# Altium PCB Drone_mercury_v2.PcbDoc
Units mm, origin at the board's own origin, x right, y up, seen from the top; angles counter-clockwise.
Board outline 70 x 70 mm, 4 copper layers (Top Layer, GND02, PWR03, Bottom Layer), stack 0.603 mm thick; 83 components, 58 nets, 266 pads, 89 vias.
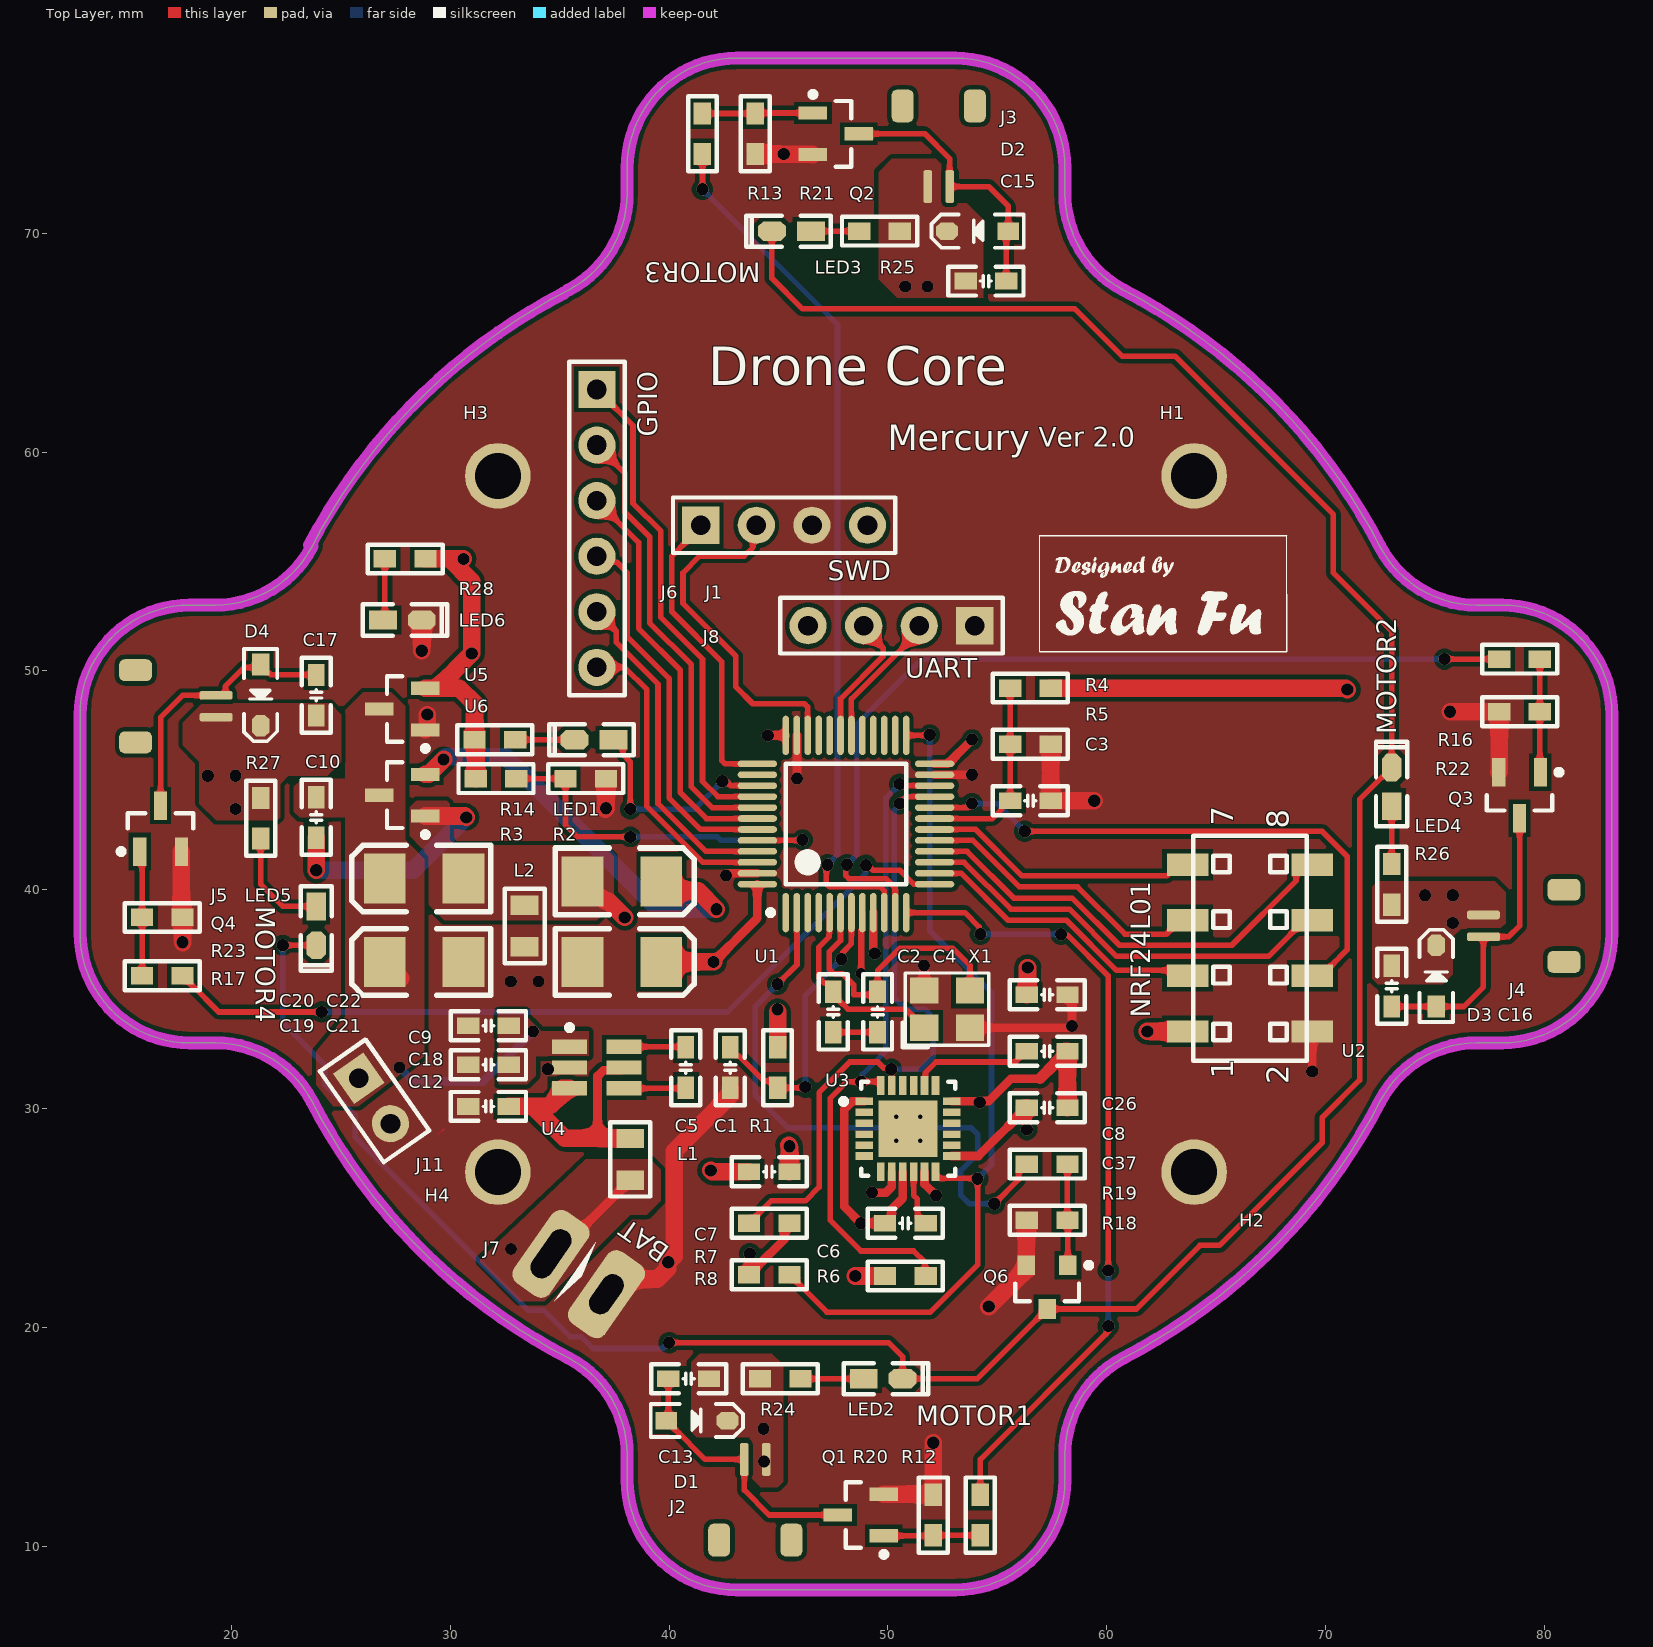
[diagram p0: Top Layer view]
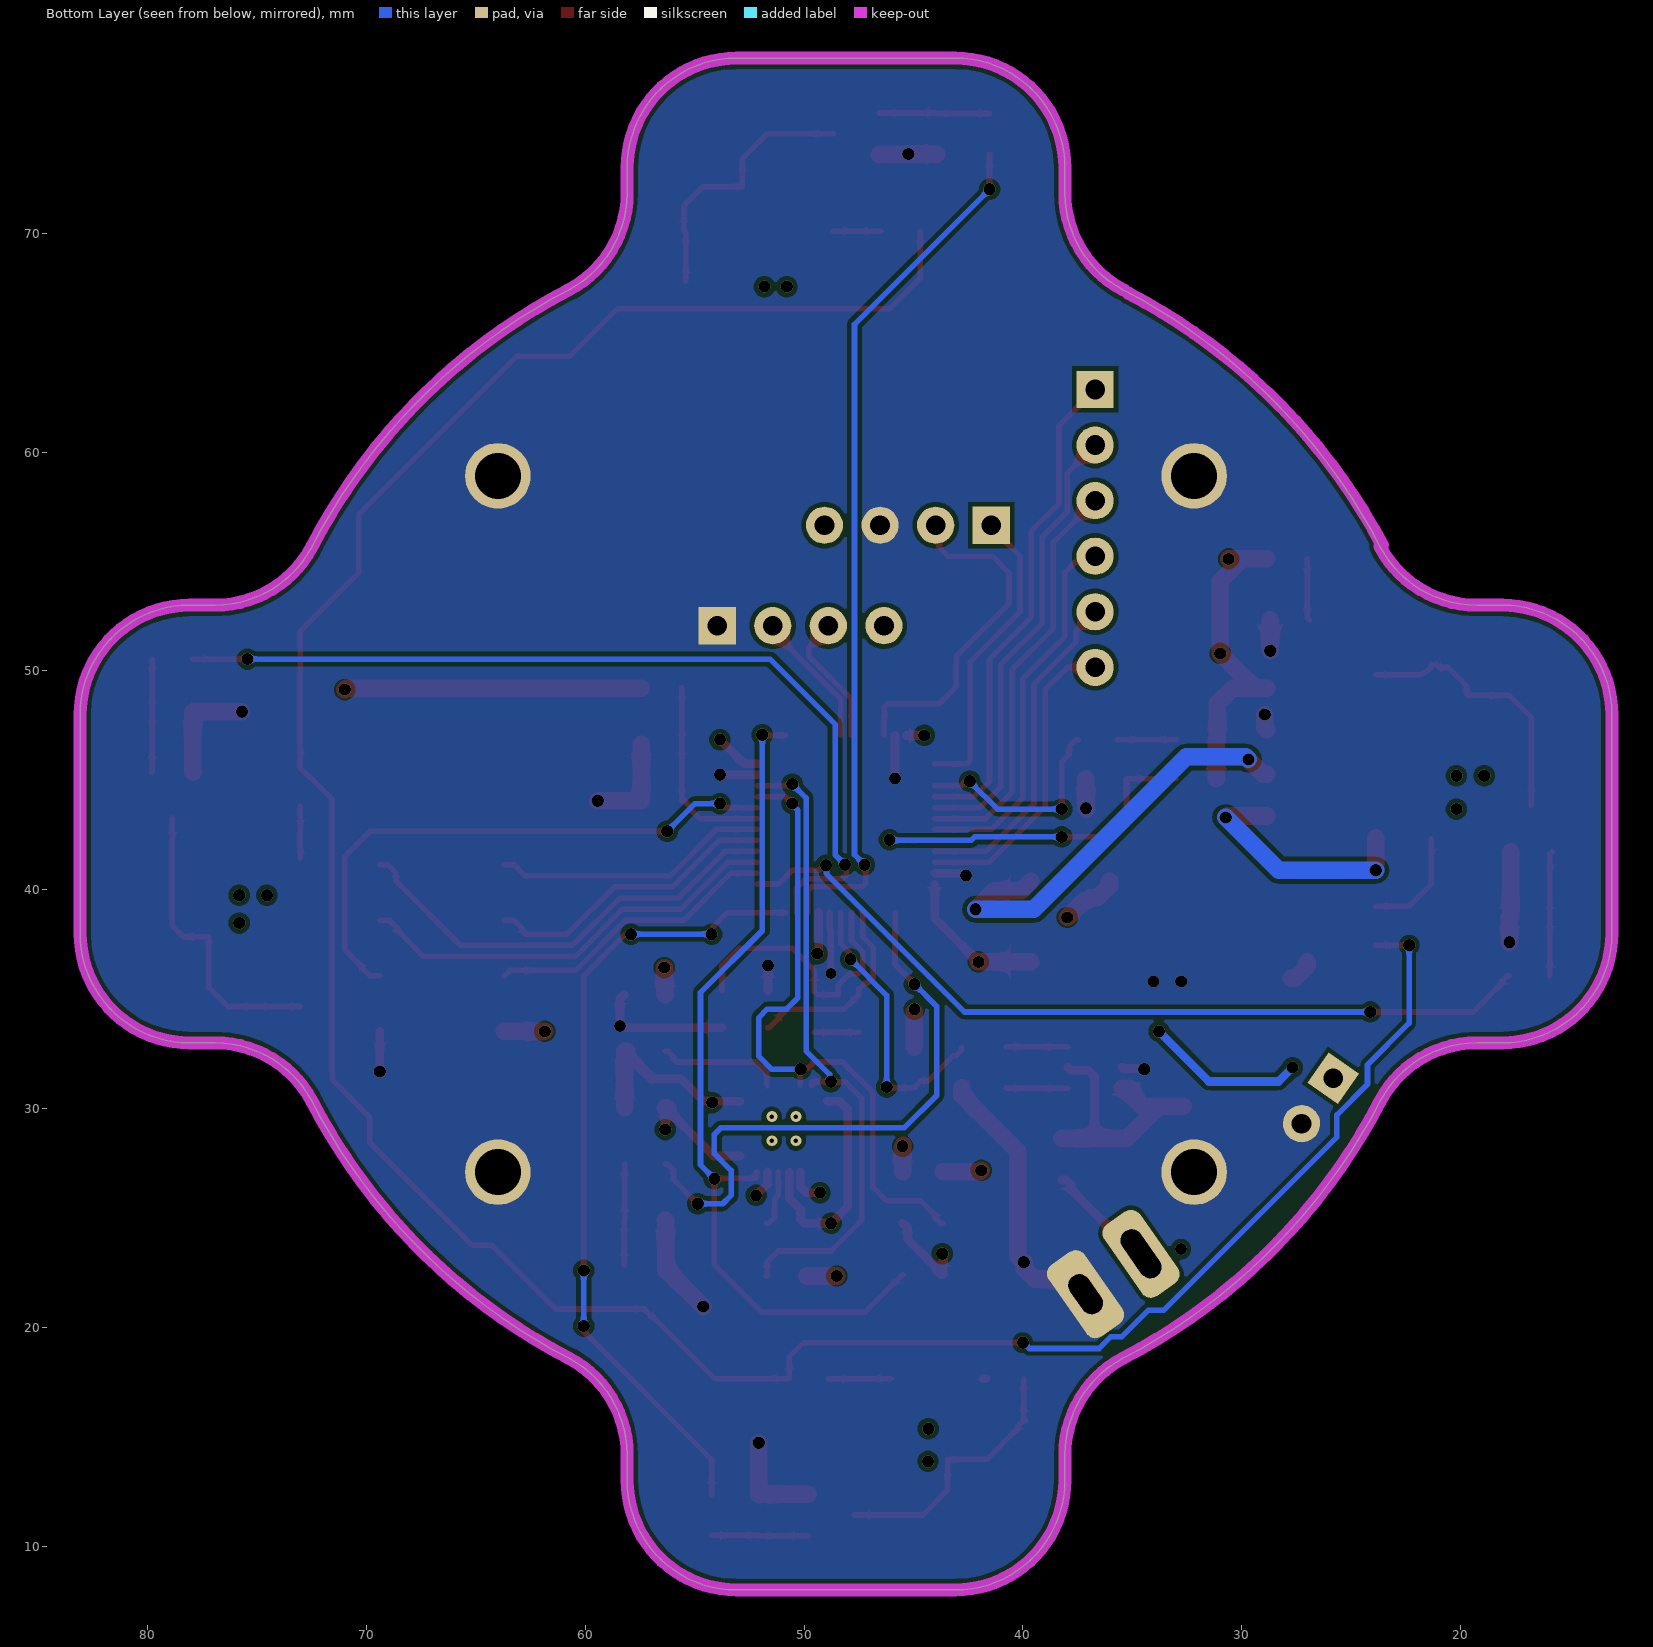
[diagram p1: Bottom Layer view, seen from below]
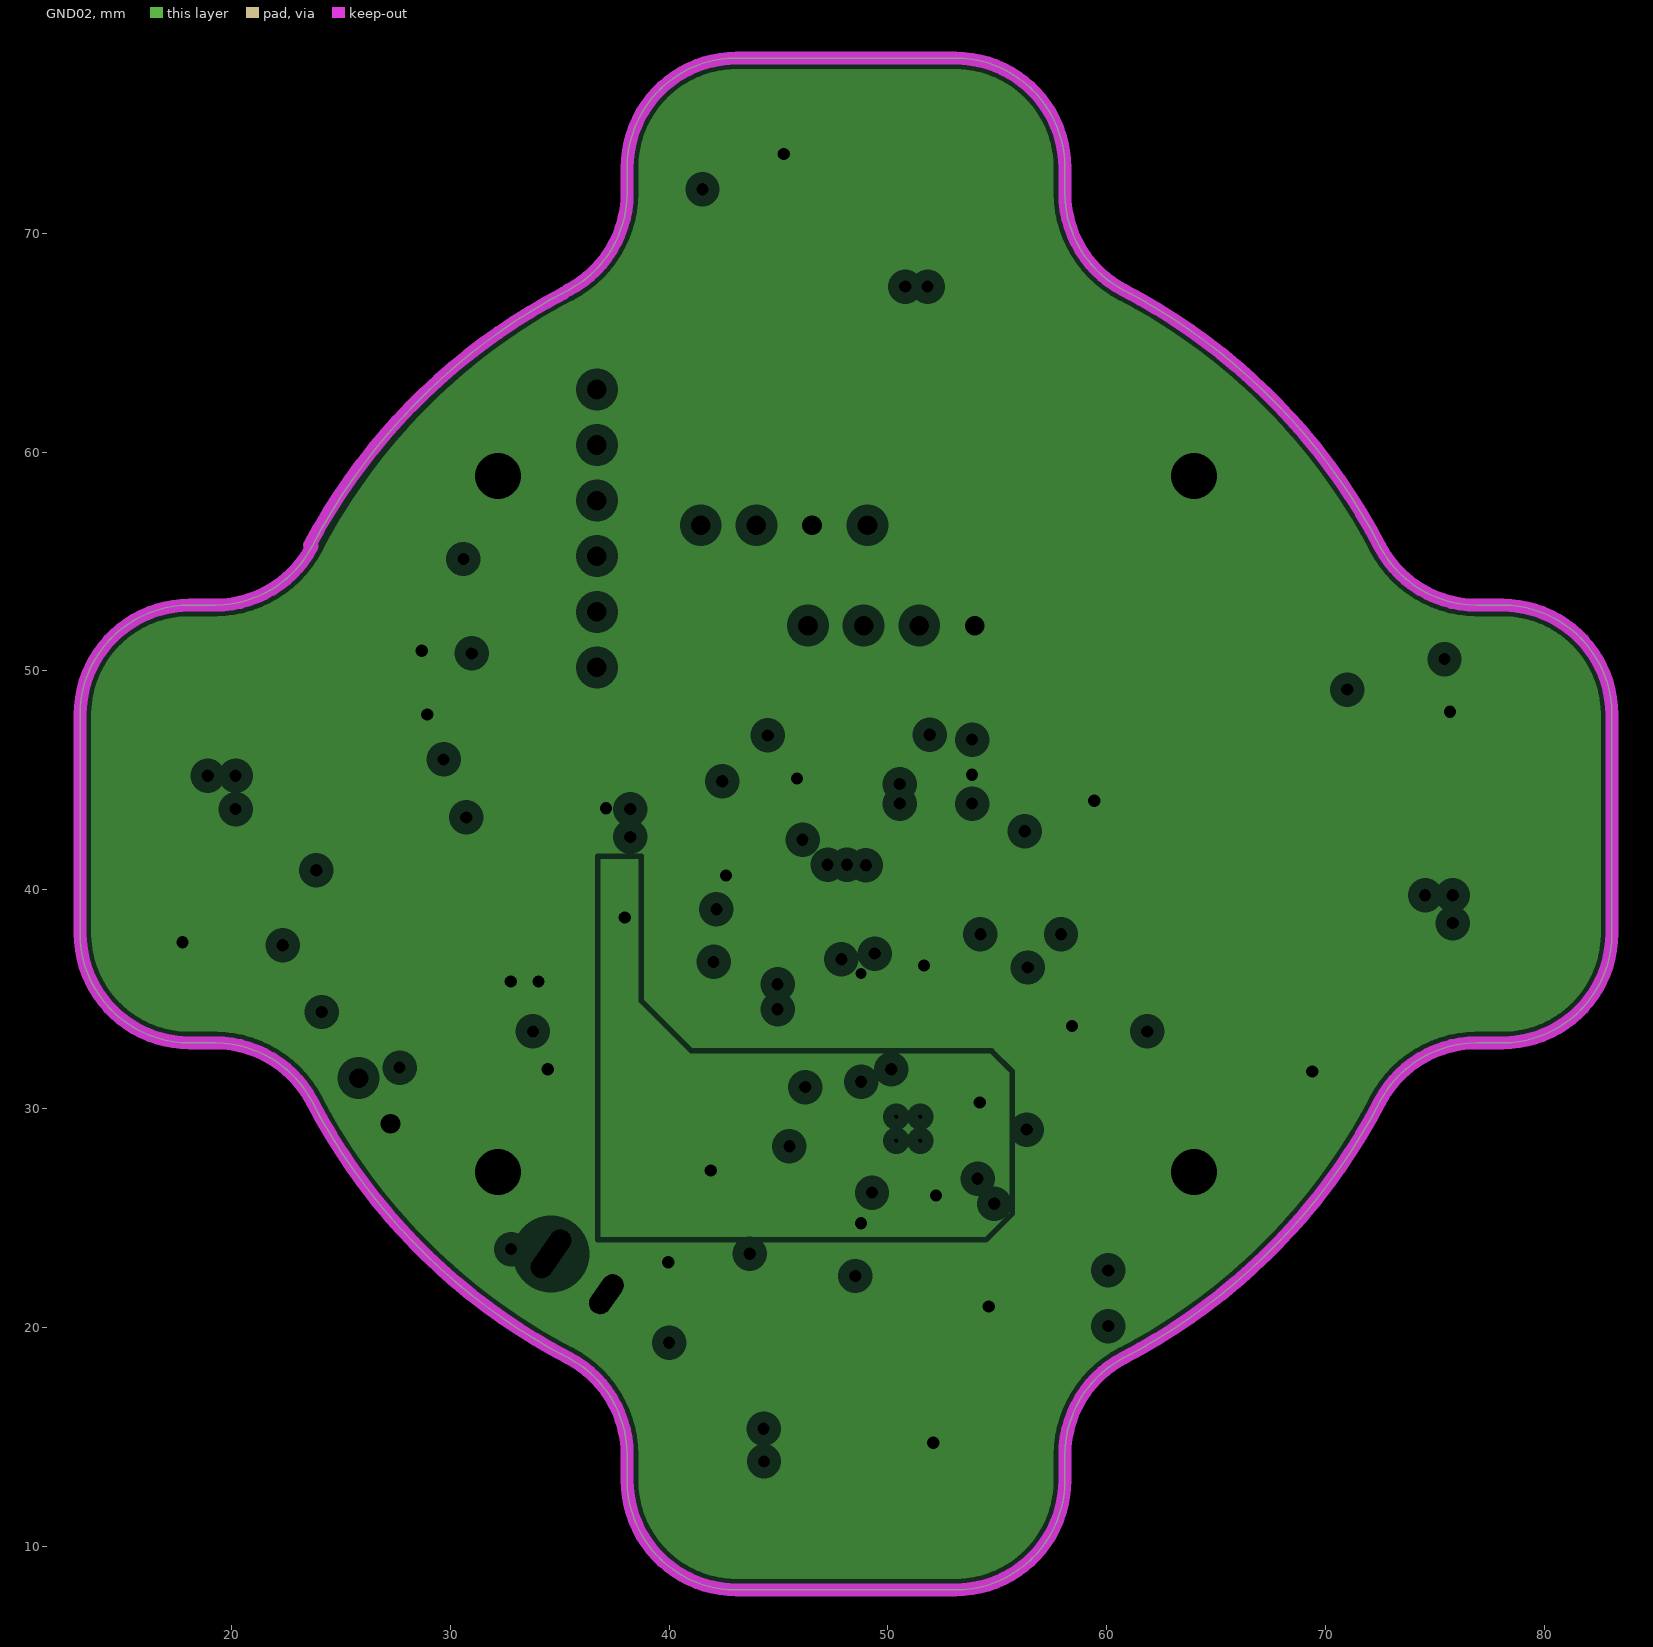
[diagram p2: GND02, clearances drawn from the general rule]
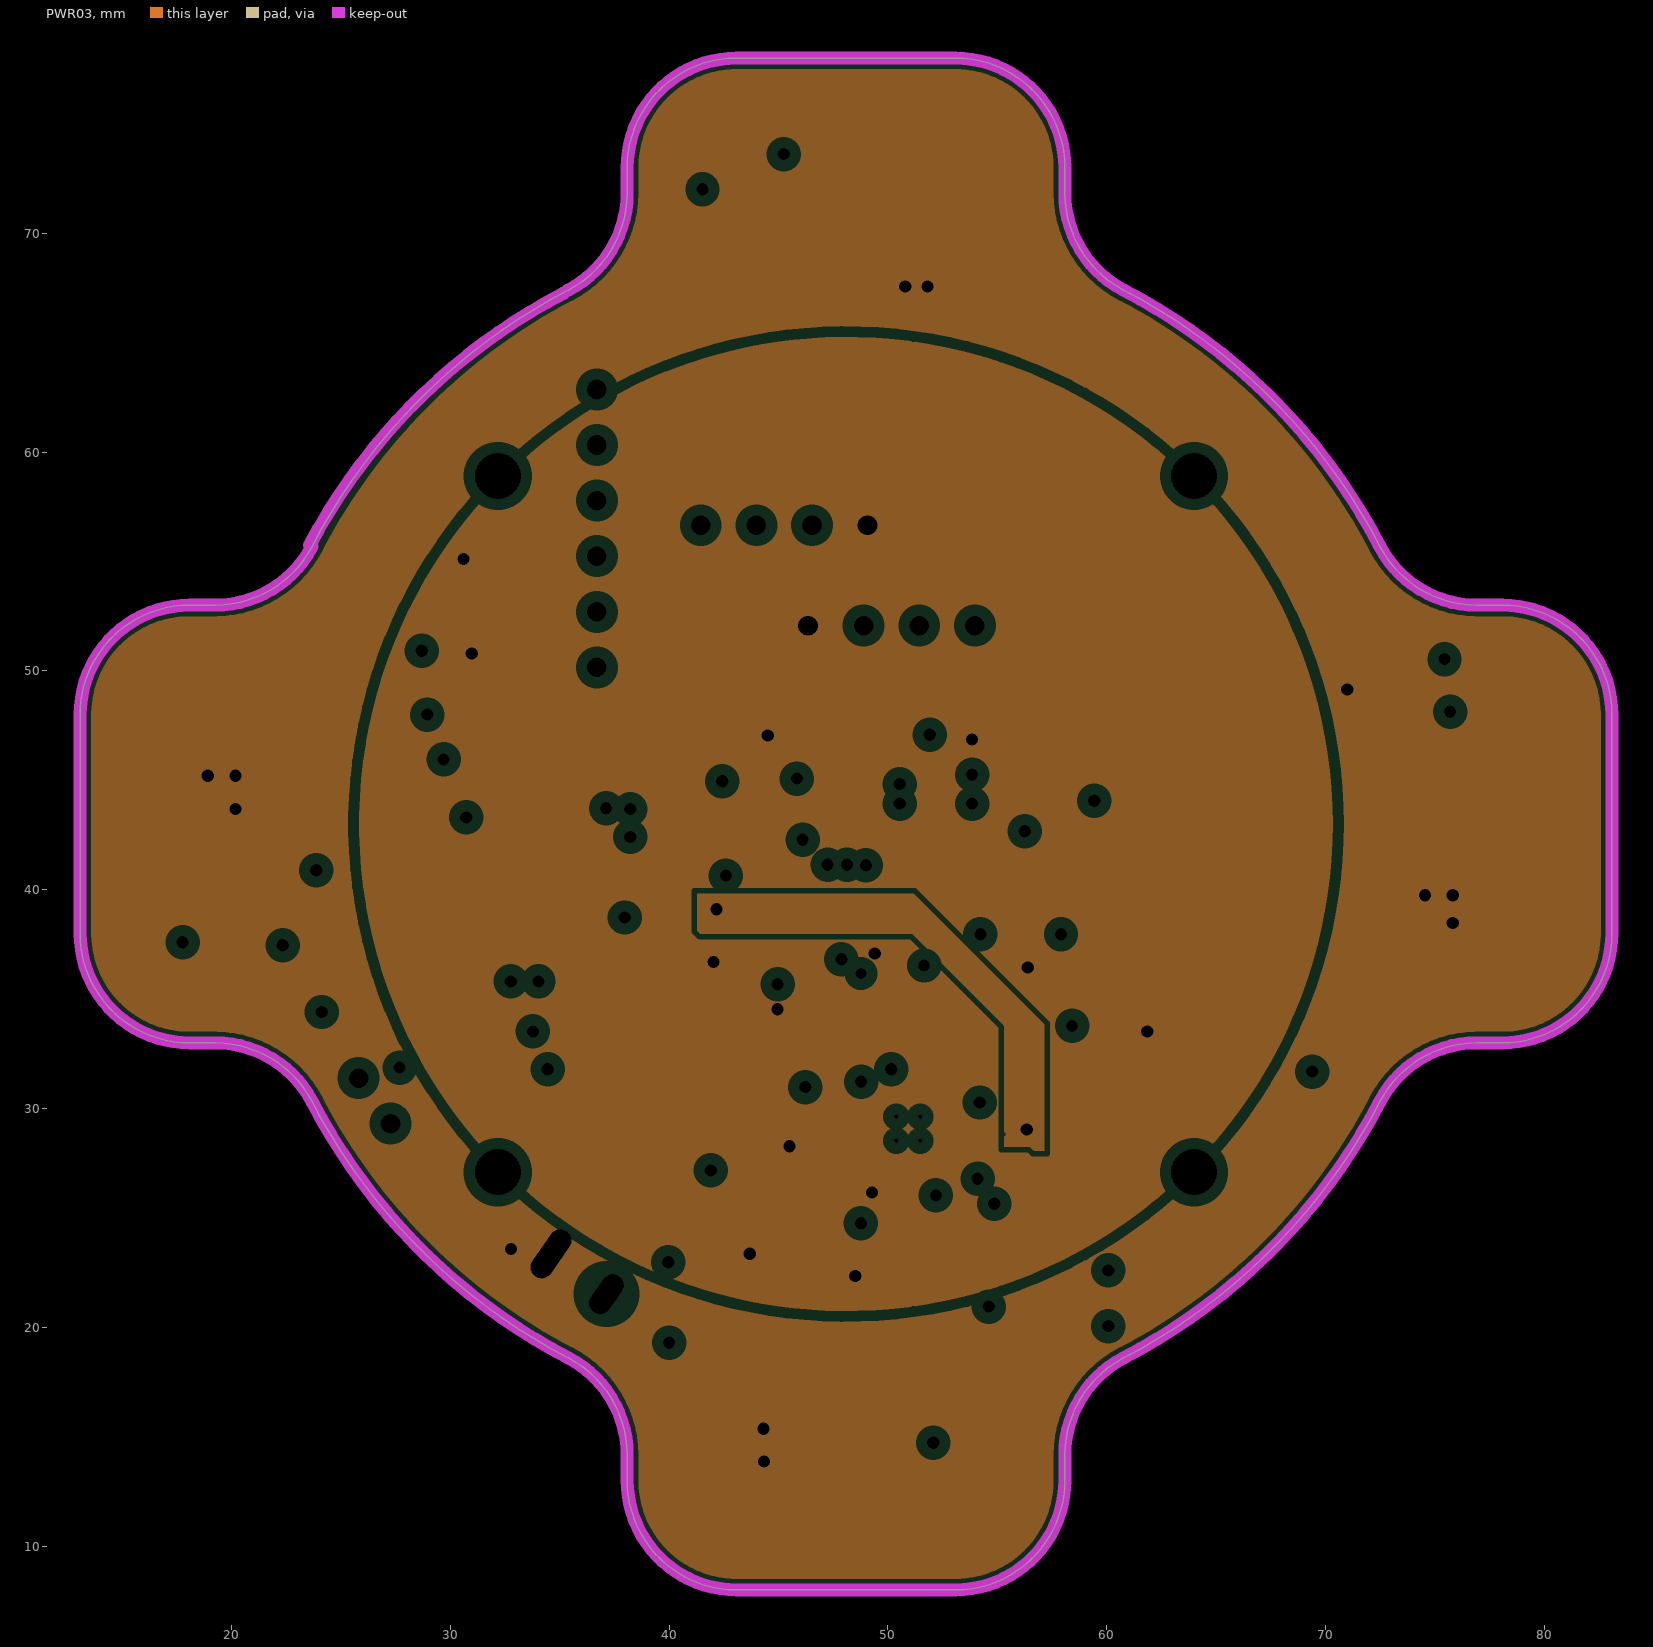
[diagram p3: PWR03, clearances drawn from the general rule]

## Layer stack, top to bottom
Top Solder: solder mask 0.0102, Solder Resist, Dk 3.5
Top Layer: signal copper 0.0356
Dielectric 2: prepreg 0.0711, PP-006, Dk 4.1
GND02: plane copper 0.035, net GND
Dielectric 1: dielectric 0.32, FR-4, Dk 4.8
PWR03: plane copper 0.035, net (Multiple Nets)
Dielectric 3: prepreg 0.0711, PP-006, Dk 4.1
Bottom Layer: signal copper 0.0356
Bottom Solder: solder mask 0.0102, Solder Resist, Dk 3.5

## Board outline
18.087,33.007 19.256,33.007 cw(c19.256,28.007) 23.692,30.315 ccw(c48.087,43.007) 35.395,18.612 cw(c33.087,14.176) 38.087,14.176 38.087,13.007 ccw(c43.087,13.007) 43.087,8.007 53.087,8.007 ccw(c53.087,13.007) 58.087,13.007 58.087,14.176 cw(c63.087,14.176) 60.78,18.612 ccw(c48.087,43.007) 72.483,30.315 cw(c76.919,28.007) 76.919,33.007 78.087,33.007 ccw(c78.087,38.007) 83.087,38.007 83.087,48.007 ccw(c78.087,48.007) 78.087,53.007 76.919,53.007 cw(c76.919,58.007) 72.483,55.7 ccw(c48.087,43.007) 60.78,67.403 cw(c63.087,71.839) 58.087,71.839 58.087,73.007 ccw(c53.087,73.007) 53.087,78.007 43.087,78.007 ccw(c43.087,73.007) 38.087,73.007 38.087,71.839 cw(c33.087,71.839) 35.395,67.403 ccw(c48.087,43.007) 23.692,55.7 cw(c19.256,58.007) 19.256,53.007 18.087,53.007 ccw(c18.087,48.007) 13.087,48.007 13.087,38.007 ccw(c18.087,38.007)

## Design rules (kind name [scope] priority, off if disabled: settings)
Clearance [All] p1: gap=0.1 ignorepadtopadclearanceinfootprint=FALSE except(0: Arc-Hole Track-Hole SMDPad-Hole THPad-Hole Via-Hole Fill-Hole Poly-Hole Region-Hole Text-Hole; 0.2: Arc-Poly Track-Poly SMDPad-Poly THPad-Poly Via-Poly Fill-Poly Poly-Poly)
HoleToHoleClearance [All] p1: gap=0.1 allowstackedmicrovias=TRUE
MinimumSolderMaskSliver [All] p1: minsoldermaskwidth=0.046
PlaneClearance [All] p1: clearance=0.508
PlaneConnect [All] p1: planeconnectstyle=Relief reliefexpansion=0.208 reliefentries=4 reliefconductorwidth=0.254 reliefairgap=0.254
PolygonConnect [All] p1: connectstyle=Direct reliefconductorwidth=0.254 reliefentries=4 polygonreliefangle="90 Angle" airgapwidth=0.254
RoutingVias [All] p1: holewidth=0.5 width=0.6 viastyle="Through Hole" minholewidth=0.45 minwidth=0.45 maxholewidth=0.65 maxwidth=0.8
SilkToSilkClearance [All] p1: silktosilkclearance=0
SilkToSolderMaskClearance [IsPad] p1: minsilkscreentomaskgap=0 clearancetoexposedcopper=TRUE
SolderMaskExpansion [All] p1: expansion=0.102 istentingtop=FALSE
Width [InNetClass('PWR')] p1: maxlimit=1 minlimit=0.3 preferedwidth=0.4 checkconnectedcopper=TRUE
Width Width_1 [All] p2: maxlimit=0.254 minlimit=0.254 preferedwidth=0.254
24 further rules are at their usual default settings.

## Classes and differential pairs
net class UART_SIG: RXD TXD
net class PWR: GGND GND V5 VBat VCC Vin Vsen

## Components (designator, comment, footprint, x,y, rotation, side; value= is the part's Value field where it differs from the comment)
C1 "100nF" C0603_M 42.799,31.877 r90 top
C2 "20pF" C0603_M 47.498,34.417 r270 top
C3 "100nF" C0603_M 56.515,44.069 r180 top
C4 "20pF" C0603_M 49.53,34.417 r270 top
C5 "1uF" C0603_M 40.767,31.877 r90 top
C6 "100nF" C0603_M 50.8,24.765 r0 top
C7 "100nF" C0603_M 44.577,27.116 r0 top
C8 "2.2nF" C0603_M 57.277,32.621 r180 top
C9 "100nF" C0603_M 31.75,33.782 r0 top
C10 "100nF" C0603_M 23.876,43.307 r90 top
C12 "1uF" C0603_M 31.75,30.099 r0 top
C13 "100nF" C0603_M 40.894,17.653 r0 top
C15 "100nF" C0603_M 54.483,67.818 r180 top
C16 "100nF" C0603_M 73.025,35.598 r90 top
C17 "100nF" C0603_M 23.876,48.895 r270 top
C18 "1uF" C0603_M 31.75,32.004 r0 top
C19 "100uF/10V" C_3528 28.807,36.703 r0 top
C20 "100uF/10V" C_3528 28.807,40.513 r0 top
C21 "100uF/10V" C_3528 37.846,36.703 r180 top
C22 "100uF/10V" C_3528 37.846,40.386 r180 top
C26 "100nF" C0603_M 57.277,35.197 r0 top
C37 "100nF" C0603_M 57.277,30.045 r0 top
D1 "1N4148" SOD-323 41.275,15.748 r0 top
D2 "1N4148" SOD-323 54.102,70.104 r180 top
D3 "1N4148" SOD-323 75.057,36.068 r90 top
D4 "1N4148" SOD-323 21.336,48.895 r270 top
H1 "2mm定位孔" Pos-Hole 63.997,58.917 r0 top
H2 "2mm定位孔" Pos-Hole 63.997,27.097 r0 top
H3 "2mm定位孔" Pos-Hole 32.177,58.917 r0 top
H4 "2mm定位孔" Pos-Hole 32.177,27.097 r0 top
J1 "SWD" HDR2.54-LI-4P 45.26,56.66 r0 top
J2 "电机SH1.0插母" SH1.0-2p 43.942,12.065 r270 top
J3 "电机SH1.0插母" SH1.0-2p 52.324,74.041 r90 top
J4 "电机SH1.0插母" SH1.0-2p 79.121,38.354 r0 top
J5 "电机SH1.0插母" SH1.0-2p 17.399,48.387 r180 top
J6 "HDR-1X6" HDR2.54-LI-6P 36.703,56.515 r270 top
J7 "电源线" PWR_Bonding_Pad 35.814,22.479 r325 top
J8 "HDR-1X4" HDR2.54-LI-4P 50.165,52.07 r180 top
J11 "HDR-1X2" HDR2.54-LI-2P 26.543,30.353 r305 top
L1 "0Ω" R0805_L 38.227,27.686 r270 top
L2 "0Ω" R0805_L 33.401,38.354 r90 top
LED1 "红色" LED0603_R 36.576,46.863 r180 top
LED2 "红色" LED0603_R 49.784,17.653 r0 top
LED3 "红色" LED0603_R 45.593,70.104 r180 top
LED4 "红色" LED0603_R 73.025,44.704 r90 top
LED5 "红色" LED0603_R 23.876,38.354 r270 top
LED6 "红色" LED0603_R 27.813,52.324 r0 top
Q1 "AO3402" SOT23-3N 48.768,11.43 r180 top
Q2 "AO3402" SOT23-3N 47.625,74.549 r0 top
Q3 "AO3402" SOT23-3N 78.867,44.323 r270 top
Q4 "AO3402" SOT23-3N 16.764,42.799 r90 top
Q6 "MMBT5551LT1G" ONSC-SOT-23-3-318-08_V 57.277,21.844 r270 top
R1 "20k" R0603_M 44.958,31.877 r270 top
R2 "20k" R0603_M 36.195,45.085 r180 top
R3 "20k" R0603_M 32.093,45.085 r0 top
R4 "20k" R0603_M 56.515,49.222 r180 top
R5 "20k" R0603_M 56.515,46.645 r0 top
R6 "3k" R0603_M 50.8,22.352 r180 top
R7 "3k" R0603_M 44.577,24.765 r0 top
R8 "3k" R0603_M 44.577,22.414 r0 top
R12 "10Ω" R0603_M 54.229,11.43 r270 top
R13 "10Ω" R0603_M 41.529,74.549 r90 top
R14 "20k" R0603_M 32.042,46.863 r0 top
R16 "10Ω" R0603_M 78.867,50.546 r0 top
R17 "10Ω" R0603_M 16.845,36.068 r180 top
R18 "20k" R0603_M 57.277,24.892 r180 top
R19 "2K" R0603_M 57.277,27.468 r180 top
R20 "20k" R0603_M 52.07,11.43 r270 top
R21 "20k" R0603_M 43.942,74.549 r90 top
R22 "20k" R0603_M 78.867,48.133 r0 top
R23 "20k" R0603_M 16.845,38.735 r180 top
R24 "2k" R0603_M 45.085,17.653 r180 top
R25 "2k" R0603_M 49.619,70.104 r0 top
R26 "2k" R0603_M 73.025,40.246 r270 top
R27 "2k" R0603_M 21.336,43.269 r90 top
R28 "2k" R0603_M 27.94,55.118 r0 top
U1 "STM32F103C8T6" LQFP48_N 48.087,43.007 r90 top
U2 "NRF24L01" HDR2.54-M-LS-2x4P 66.548,37.338 r90 top
U3 "MPU-6050" IS-QFN-24_V 50.927,29.083 r0 top
U4 "LTC3200ES6-5" LT-S6-6-TSOT-23_M 36.703,31.877 r0 top
U5 "XC6206" sot23 27.813,48.26 r180 top
U6 "XC6206" sot23 27.813,44.323 r180 top
X1 "16M" XTAL-3225-4P 52.705,34.544 r0 top
